# Altium PCB USB_HUB.PcbDoc (part 1 of 2) (continued)
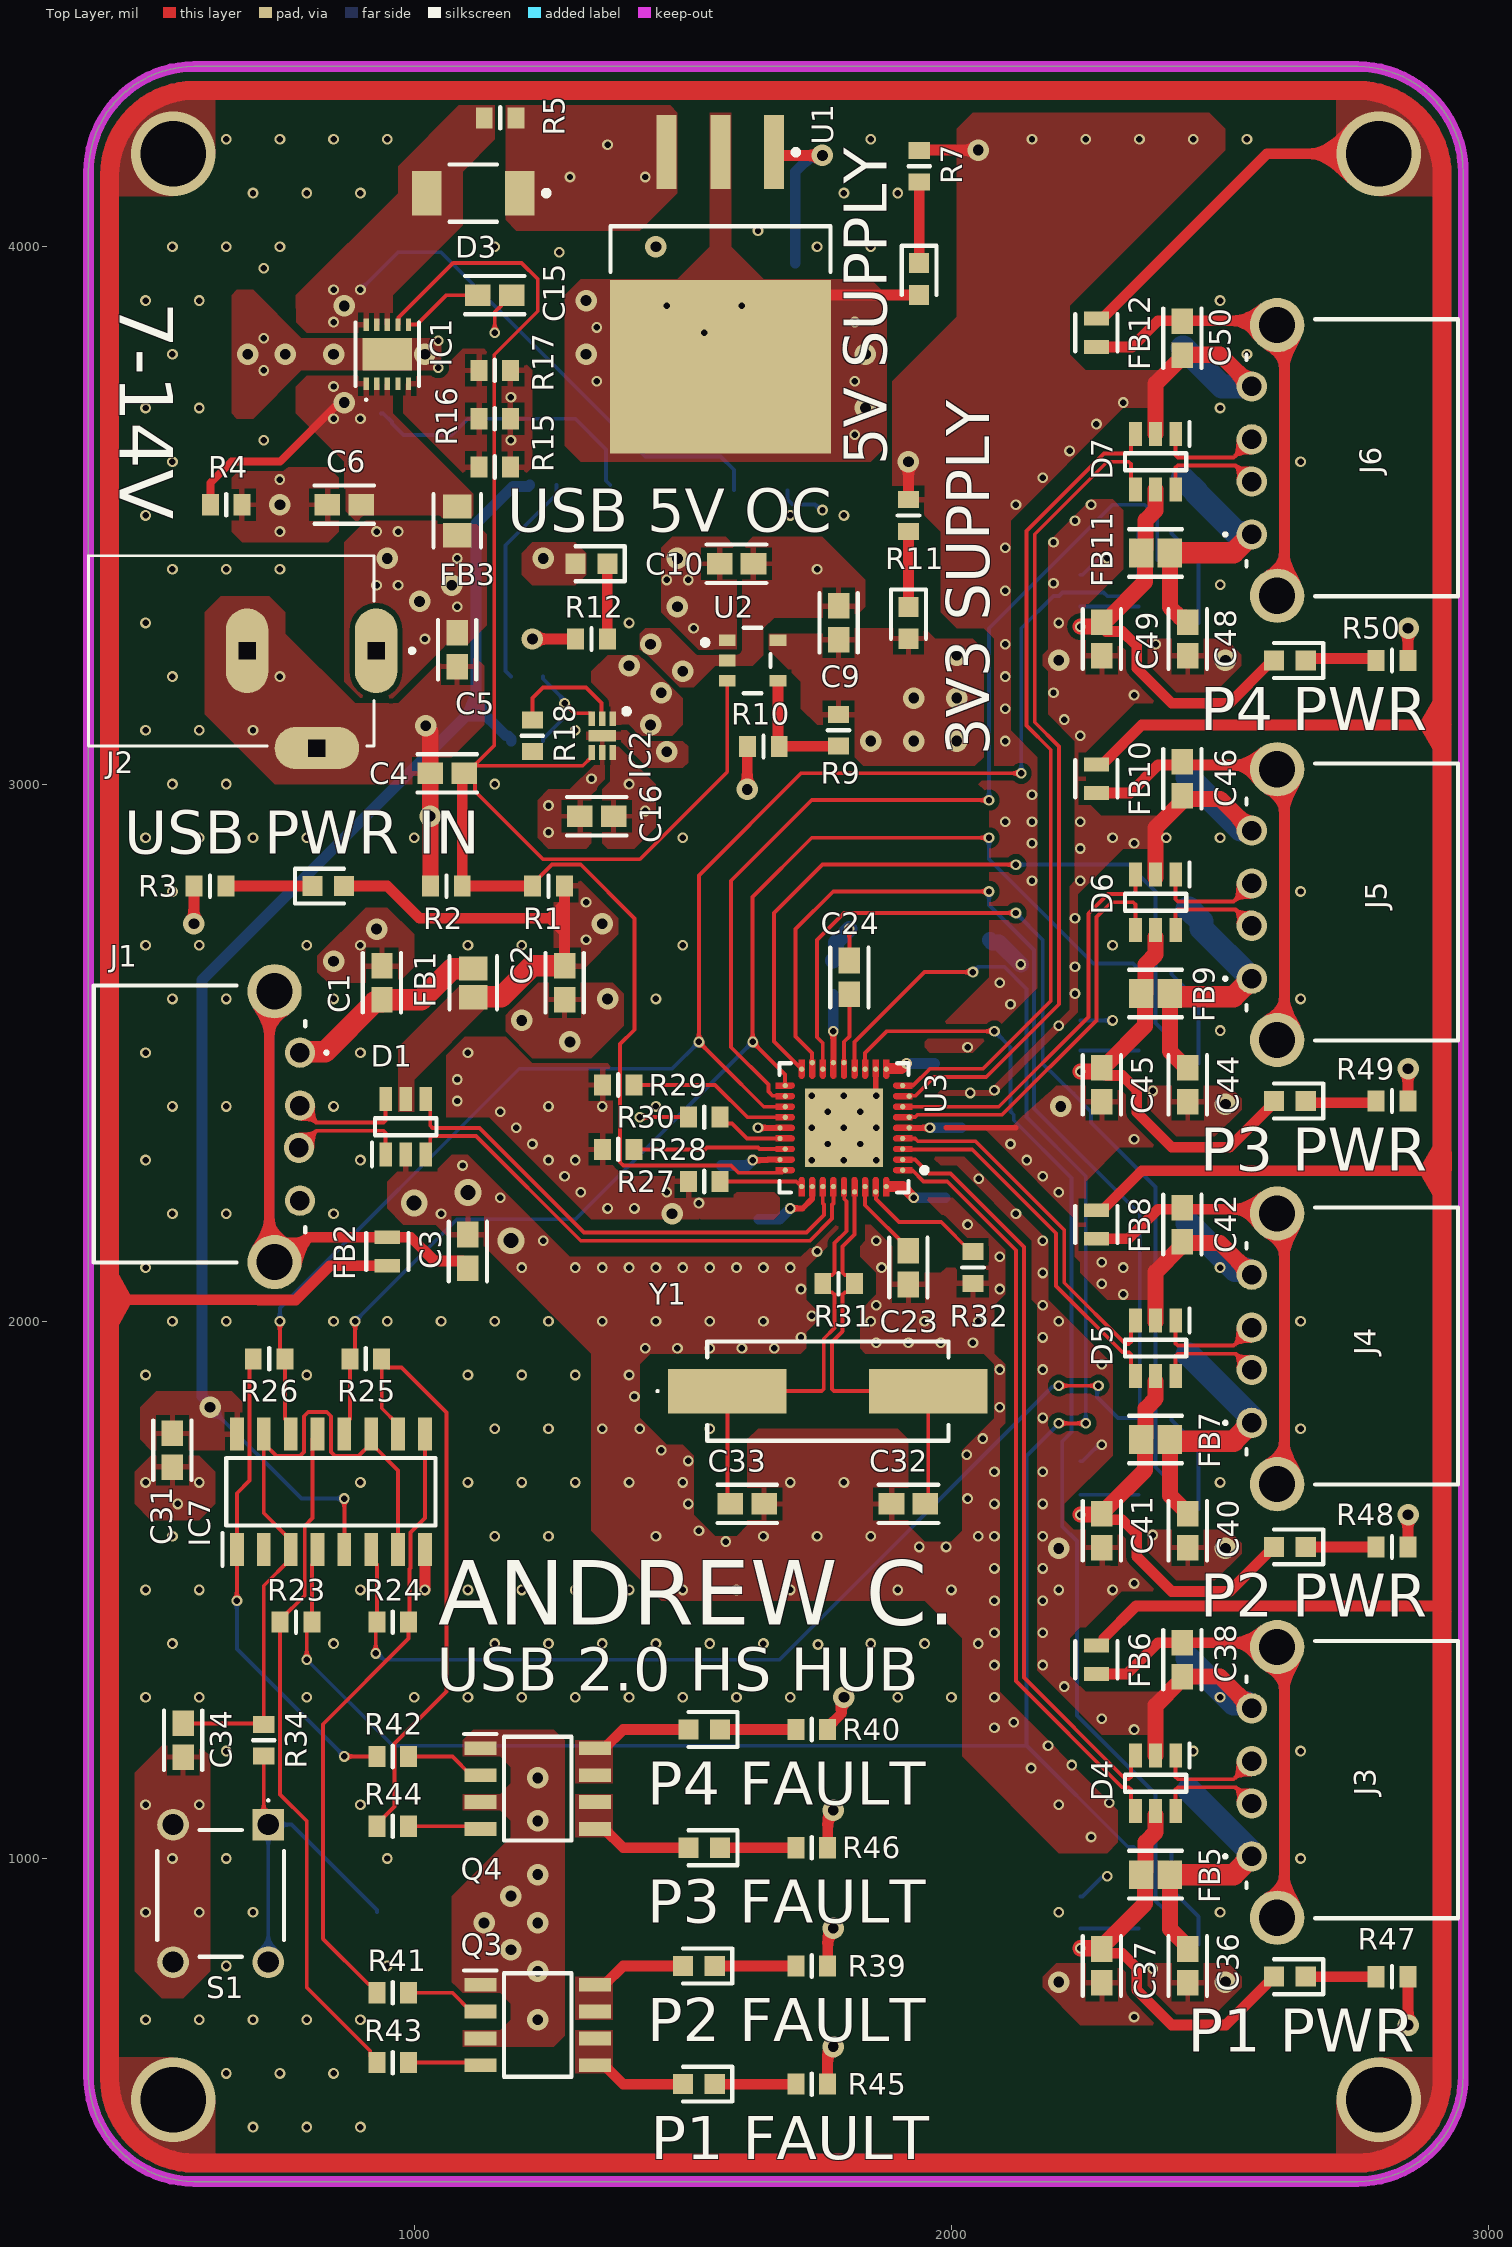
[diagram p0: Top Layer view]
## Components (designator, comment, footprint, x,y, rotation, side; value= is the part's Value field where it differs from the comment)
"3V3 SUPPLY" "150060GS75000" LEDC1608X80N 1920,3300 r270 top
"5V SUPPLY" "150060GS75000" LEDC1608X80N 1940,3940 r270 top
C1 "0603 CAP" 0603-C 940,2630 r90 top
C2 "0603 CAP" 0603-C 1280,2630 r270 top
C3 "0603 CAP" 0603-C 1100,2130 r90 top
C4 "0603 CAP" 0603-C 1061.57,3020 r180 top
C5 "0603 CAP" 0603-C 1080,3250 r270 top
C6 "0603 CAP" 0603-C 870,3520 r180 top
C7 "1206 Capacitor" 1206-C 1360,4070 r270 bottom
C8 "1206 Capacitor" 1206-C 1540,3950 r90 bottom
C9 "0603 CAP" 0603-C 1790,3300 r90 top
C10 "0603 CAP" 0603-C 1600,3410 r0 top
C11 "1206 Capacitor" 1206-C 750,3710 r180 bottom
C12 "0603 CAP" 0603-C 970,3690 r0 bottom
C13 "0603 CAP" 0603-C 970,3910 r0 bottom
C14 "1206 Capacitor" 1206-C 750,3890 r180 bottom
C15 "0603 CAP" 0603-C 1150,3910 r0 top
C16 "0603 CAP" 0603-C 1340,2940 r180 top
C17 "0603 CAP" 0603-C 2380,750 r180 bottom
C18 "0603 CAP" 0603-C 2380,1557.09 r180 bottom
C19 "0603 CAP" 0603-C 2380,2383.86 r180 bottom
C20 "0603 CAP" 0603-C 2380,3210.63 r180 bottom
C21 "0603 CAP" 0603-C 1540,2290 r0 bottom
C22 "0603 CAP" 0603-C 1780,2640 r270 bottom
C23 "0603 CAP" 0603-C 1920,2100 r270 top
C24 "0603 CAP" 0603-C 1810,2640 r90 top
C25 "0603 CAP" 0603-C 2040,2710 r0 bottom
C26 "0603 CAP" 0603-C 2040,2590 r0 bottom
C27 "0603 CAP" 0603-C 1610,2190 r180 bottom
C28 "0603 CAP" 0603-C 2020,2230 r0 bottom
C29 "0603 CAP" 0603-C 2050,2360 r0 bottom
C30 "0603 CAP" 0603-C 2000,2480 r0 bottom
C31 "0603 CAP" 0603-C 550,1760 r270 top
C32 "0603 CAP" 0603-C 1920,1660 r180 top
C33 "0603 CAP" 0603-C 1620,1660 r0 top
C34 "100nF" FP-GRM188-0_1-e0_2_0_55-IPC_A 570,1220 r270 top
C35 "293D107X0016D2TE3" CAPPM7343X310N 2440,1250 r90 bottom value=100u
C36 "0603 CAP" 0603-C 2440,800 r270 top
C37 "0603 CAP" 0603-C 2280,800 r270 top
C38 "0603 CAP" 0603-C 2430,1370 r270 top
C39 "293D107X0016D2TE3" CAPPM7343X310N 2440,2060 r90 bottom value=100u
C40 "0603 CAP" 0603-C 2440,1610 r270 top
C41 "0603 CAP" 0603-C 2280,1610 r270 top
C42 "0603 CAP" 0603-C 2430,2180 r270 top
C43 "293D107X0016D2TE3" CAPPM7343X310N 2440,2890 r90 bottom value=100u
C44 "0603 CAP" 0603-C 2440,2440 r270 top
C45 "0603 CAP" 0603-C 2280,2440 r270 top
C46 "0603 CAP" 0603-C 2430,3010 r270 top
C47 "293D107X0016D2TE3" CAPPM7343X310N 2430,3690 r90 bottom value=100u
C48 "0603 CAP" 0603-C 2440,3270 r270 top
C49 "0603 CAP" 0603-C 2280,3270 r270 top
C50 "0603 CAP" 0603-C 2430,3830 r270 top
D1 "IP4234CZ6,125" SOP95P275X110-6N 984.25,2362.2 r90 top
D2 "DNC PMEG3050EP,115" FP-SOD128-MFG 930,3420 r180 bottom
D3 "DNC PMEG3050EP,115" FP-SOD128-MFG 1110,4100 r180 top
D4 "IP4234CZ6,125" SOP95P275X110-6N 2380,1140 r270 top
D5 "IP4234CZ6,125" SOP95P275X110-6N 2380,1950 r270 top
D6 "IP4234CZ6,125" SOP95P275X110-6N 2380,2780 r270 top
D7 "IP4234CZ6,125" SOP95P275X110-6N 2380,3600 r270 top
FB1 "120R" FP-ILHB-0805-IPC_C 1110,2630 r270 top
FB2 "30R" FP-BLM18-0_15-t0_6-d1_2-MFG 950,2130 r90 top
FB3 "120R" FP-ILHB-0805-IPC_C 1080,3490 r90 top
FB4 "120R" FP-ILHB-0805-IPC_C 1890,2610 r270 bottom
FB5 "120R" FP-ILHB-0805-IPC_C 2380,970 r180 top
FB6 "30R" FP-BLM18-0_15-t0_6-d1_2-MFG 2270,1370 r270 top
FB7 "120R" FP-ILHB-0805-IPC_C 2380,1780 r180 top
FB8 "30R" FP-BLM18-0_15-t0_6-d1_2-MFG 2270,2180 r270 top
FB9 "120R" FP-ILHB-0805-IPC_C 2380,2610 r180 top
FB10 "30R" FP-BLM18-0_15-t0_6-d1_2-MFG 2270,3010 r270 top
FB11 "120R" FP-ILHB-0805-IPC_C 2380,3430 r180 top
FB12 "30R" FP-BLM18-0_15-t0_6-d1_2-MFG 2270,3840 r270 top
IC1 "LS1205EVD33" LS1205EVD33 950,3800 r0 top
IC2 "MIC2099-1YMT-TR" SON50P160X160X60-7N-D 1350,3090 r270 top
IC3 "MIC2099-1YMT-TR" SON50P160X160X60-7N-D 2380,870 r0 bottom
IC4 "MIC2099-1YMT-TR" SON50P160X160X60-7N-D 2380,1677.09 r0 bottom
IC5 "MIC2099-1YMT-TR" SON50P160X160X60-7N-D 2380,2503.86 r0 bottom
IC6 "MIC2099-1YMT-TR" SON50P160X160X60-7N-D 2380,3330 r0 bottom
IC7 "MC14044BDR2G" SOIC127P600X175-16N 845,1682.72 r90 top
J1 "USB1125-GF-B" USB1125GFB#1 787.4,2500 r270 top locked
J2 "CON-SOCJ-2155" GRAVITECH_CON-SOCJ-2155 688.98,3248.03 r0 top locked
J3 "USB1125-GF-B" USB1125GFB#2 2559.06,1003.94 r90 top locked
J4 "USB1125-GF-B" USB1125GFB#2 2559.06,1811.02 r90 top locked
J5 "USB1125-GF-B" USB1125GFB#2 2559.06,2637.8 r90 top locked
J6 "USB1125-GF-B" USB1125GFB#2 2559.06,3464.57 r90 top locked
"P1 FAULT" "150060RS75000" LEDC1608X80N 1530,580 r180 top
"P1 PWR" "150060YS75000" LEDC1608X80N 2630,780 r180 top
"P2 FAULT" "150060RS75000" LEDC1608X80N 1530,800 r180 top
"P2 PWR" "150060YS75000" LEDC1608X80N 2630,1580 r180 top
"P3 FAULT" "150060RS75000" LEDC1608X80N 1540,1020 r180 top
"P3 PWR" "150060YS75000" LEDC1608X80N 2630,2410 r180 top
"P4 FAULT" "150060RS75000" LEDC1608X80N 1540,1240 r180 top
"P4 PWR" "150060YS75000" LEDC1608X80N 2630,3230 r180 top
Q1 "DMC3016LSD-13" SOIC127P600X175-8N 1620,3440 r270 bottom
Q2 "DMP3085LSD-13" SOIC127P600X175-8N 1290,3450 r270 bottom
Q3 "DMP3085LSD-13" SOIC127P600X175-8N 1230,690 r0 top
Q4 "DMP3085LSD-13" SOIC127P600X175-8N 1230,1130 r0 top
R1 "0603 Resistor" 0603-R 1250,2810 r180 top value=100k
R2 "0603 Resistor" 0603-R 1060,2810 r180 top value=100k
R3 "0603 Resistor" 0603-R 620,2810 r0 top value=330R
R4 "0603 Resistor" 0603-R 650,3520 r0 top value=100k
R5 "0603 Resistor" 0603-R 1160,4240 r180 top value=0R
R6 "0603 Resistor" 0603-R 1710,3940 r270 bottom value=330R
R7 "0603 Resistor" 0603-R 1940,4150 r270 top value=330R
R8 "0603 Resistor" 0603-R 1680,4100 r0 bottom value=1k
R9 "0603 Resistor" 0603-R 1790,3100 r270 top value=330R
R10 "0603 Resistor" 0603-R 1650,3070 r180 top value=560R
R11 "0603 Resistor" 0603-R 1920,3500 r270 top value=100R
R12 "0603 Resistor" 0603-R 1330,3270 r180 top value=330R
R13 "0603 Resistor" 0603-R 1210,3080 r0 bottom value=10k
R14 "0603 Resistor" 0603-R 1210,3200 r0 bottom value=1k
R15 "0603 Resistor" 0603-R 1150,3590 r180 top value=10k
R16 "0603 Resistor" 0603-R 1150,3680 r180 top value=10k
R17 "0603 Resistor" 0603-R 1150,3770 r180 top value=10k
R18 "0603 Resistor" 0603-R 1220,3090 r90 top value=330R
R19 "0603 Resistor" 0603-R 2240,900 r270 bottom value=330R
R20 "0603 Resistor" 0603-R 2240,1710 r270 bottom value=330R
R21 "0603 Resistor" 0603-R 2240,2530 r270 bottom value=330R
R22 "0603 Resistor" 0603-R 2240,3360 r270 bottom value=330R
R23 "0603 Resistor" 0603-R 780,1440 r180 top value="DNC 0R"
R24 "0603 Resistor" 0603-R 960,1440 r0 top value="DNC 0R"
R25 "0603 Resistor" 0603-R 910,1930 r0 top value="DNC 0R"
R26 "0603 Resistor" 0603-R 730,1930 r180 top value="DNC 0R"
R27 "0603 Resistor" 0603-R 1540,2260 r180 top value=100k
R28 "0603 Resistor" 0603-R 1380,2320 r180 top value=100k
R29 "0603 Resistor" 0603-R 1380,2440 r180 top value=100k
R30 "0603 Resistor" 0603-R 1540,2380 r180 top value=100k
R31 "0603 Resistor" 0603-R 1790,2070 r180 top value=DNC
R32 "0603 Resistor" 0603-R 2040,2100 r90 top value=12k
R33 "0603 Resistor" 0603-R 960,900 r180 bottom value=100k
R34 "0603 Resistor" 0603-R 720,1220 r90 top value=1k
R35 "0603 Resistor" 0603-R 2380,1010 r180 bottom value="DNC 10k"
R36 "0603 Resistor" 0603-R 2380,1820 r180 bottom value="DNC 10k"
R37 "0603 Resistor" 0603-R 2380,2650 r180 bottom value="DNC 10k"
R38 "0603 Resistor" 0603-R 2380,3470 r180 bottom value="DNC 10k"
R39 "0603 Resistor" 0603-R 1740,800 r0 top value=330R
R40 "0603 Resistor" 0603-R 1740,1240 r0 top value=330R
R41 "0603 Resistor" 0603-R 960,750 r180 top value=1k
R42 "0603 Resistor" 0603-R 960,1190 r180 top value=1k
R43 "0603 Resistor" 0603-R 960,620 r180 top value=1k
R44 "0603 Resistor" 0603-R 960,1060 r180 top value=1k
R45 "0603 Resistor" 0603-R 1740,580 r0 top value=330R
R46 "0603 Resistor" 0603-R 1740,1020 r0 top value=330R
R47 "0603 Resistor" 0603-R 2820,780 r180 top value=330R
R48 "0603 Resistor" 0603-R 2820,1580 r180 top value=330R
R49 "0603 Resistor" 0603-R 2820,2410 r180 top value=330R
R50 "0603 Resistor" 0603-R 2820,3230 r180 top value=330R
S1 "TS02-66-43-BK-260-SCR-D" TS026643BK260SCRD 728.35,1062.99 r270 top
U1 "LD1085D2M-R" D2PAK_A_L 1570,3930 r270 top
U2 "AP2205-W5-7" FP-SOT25-MFG 1630,3230 r0 top
U3 "USB2514BT-I/M2" FP-36SQFN-3706-6x6B-MFG 1800,2360 r180 top
"USB 5V OC" "150060RS75000" LEDC1608X80N 1330,3410 r180 top
"USB PWR IN" "150060GS75000" LEDC1608X80N 840,2810 r0 top
Y1 "ABLS-24.000MHZ-B4-T" ABLS24000MHZB4T 1770,1870 r0 top

## Footprints (in the part's own frame and the unit in brackets; to place one, negate y for a bottom-side part, rotate by r counter-clockwise, add the part's x,y. Pads: shape width x height; smd on the part's side, far side on the other; paste and mask are expansions set on the pad)
0603-C [mil]
  rect 47.57x39.85 smd paste+0 mask+0: 1(-31.57,0) 2(31.57,0)
  silkscreen extent -55,-36 55,36, body extent -75,-40 75,40, height 10
0603-R [mm]
  rect 0.8x1 smd: 1(-0.75,0) 2(0.75,0)
  silkscreen extent 0,-0.51 0,0.51, body extent -0.85,-0.45 0.85,0.45, height 0.55
1206-C [mil]
  rect 61.21x75.05 smd paste+0 mask+0: 1(-58.1,0) 2(58.1,0)
  silkscreen extent -85,-55 85,55, body extent -63,-31 63,31, height 71
ABLS24000MHZB4T [mm]
  rect 5.6x2.1 smd: 1(-4.75,0) 2(4.75,0)
  silkscreen extent -8.1,-2.35 5.7,2.35, body extent -7.34,-2.35 7.34,2.35, height 4.3
CAPPM7343X310N [mm]
  rect 2.35x2.45 smd: 1(-3.1,0) 2(3.1,0)
  silkscreen extent -4.28,-2.15 3.65,2.15, body extent -3.59,-2.21 3.6,2.21, height 2.92
D2PAK_A_L [mm] "D2-PAK, 4-Leads, Body 9.2x10.2mm, Pitch 2.54mm, Lead Span 15.4mm, IPC High Density"
  rect 3.5x0.95 smd: 1(-6.25,2.54) 2(-6.25,0) 3(-6.25,-2.54)
  rect 8.2x10.45 smd: 4(3.9,0)
  silkscreen extent -6.37,-5.2 -0.6,5.2, body extent -2.75,-5.2 6.6,5.2, height 4.6
FP-36SQFN-3706-6x6B-MFG [mm]
  round 0.252 smd paste+0 mask+0: 1(-2.775,2) 2(-2.775,1.5) 3(-2.775,1) 4(-2.775,0.5) 5(-3.085,0) 6(-3.085,-0.5) 7(-2.775,-1) 8(-3.085,-1.5) 9(-2.775,-2) 10(-2,-2.775) 11(-1.5,-2.775) 12(-1,-2.775) 13(-0.5,-2.775) 14(0,-3.085) 15(0.5,-3.085) 16(1,-2.775) 17(1.5,-3.085) 18(2,-2.775) 19(2.775,-2) 20(2.775,-1.5) 21(2.775,-1) 22(2.775,-0.5) 23(3.025,0) 24(3.025,0.5) 25(2.775,1) 26(3.025,1.5) 27(2.775,2) 28(2,2.775) 29(1.5,2.775) 30(1,2.775) 31(0.5,2.775) 32(0,3.025) 33(-0.5,3.025) 34(-1,2.775) 35(-1.5,3.025) 36(-2,2.775)
  rect 3.7x3.7 smd paste+0 mask+0: 37(0,0)
  Top Layer region: -1.86,3.225 -1.86,2.465 -1.871,2.411 -1.901,2.366 -1.946,2.336 -2,2.325 -2,2.325 -2.054,2.336 -2.099,2.366 -2.129,2.411 -2.14,2.465 -2.14,2.465 -2.14,3.225
  Top Layer region: -1.36,3.225 -1.36,2.465 -1.371,2.411 -1.401,2.366 -1.446,2.336 -1.5,2.325 -1.5,2.325 -1.554,2.336 -1.599,2.366 -1.629,2.411 -1.64,2.465 -1.64,2.465 -1.64,3.225
  Top Layer region: -0.86,3.225 -0.86,2.465 -0.871,2.411 -0.901,2.366 -0.946,2.336 -1,2.325 -1,2.325 -1.054,2.336 -1.099,2.366 -1.129,2.411 -1.14,2.465 -1.14,2.465 -1.14,3.225
  Top Layer region: -0.36,3.225 -0.36,2.465 -0.371,2.411 -0.401,2.366 -0.446,2.336 -0.5,2.325 -0.5,2.325 -0.554,2.336 -0.599,2.366 -0.629,2.411 -0.64,2.465 -0.64,2.465 -0.64,3.225
  Top Layer region: 0.14,3.225 0.14,2.465 0.129,2.411 0.099,2.366 0.054,2.336 0,2.325 0,2.325 -0.054,2.336 -0.099,2.366 -0.129,2.411 -0.14,2.465 -0.14,2.465 -0.14,3.225
  Top Layer region: 0.64,3.225 0.64,2.465 0.629,2.411 0.599,2.366 0.554,2.336 0.5,2.325 0.5,2.325 0.446,2.336 0.401,2.366 0.371,2.411 0.36,2.465 0.36,2.465 0.36,3.225
  Top Layer region: 1.14,3.225 1.14,2.465 1.129,2.411 1.099,2.366 1.054,2.336 1,2.325 1,2.325 0.946,2.336 0.901,2.366 0.871,2.411 0.86,2.465 0.86,2.465 0.86,3.225
  Top Layer region: 1.64,3.225 1.64,2.465 1.629,2.411 1.599,2.366 1.554,2.336 1.5,2.325 1.5,2.325 1.446,2.336 1.401,2.366 1.371,2.411 1.36,2.465 1.36,2.465 1.36,3.225
  Top Layer region: 2.14,3.225 2.14,2.465 2.129,2.411 2.099,2.366 2.054,2.336 2,2.325 2,2.325 1.946,2.336 1.901,2.366 1.871,2.411 1.86,2.465 1.86,2.465 1.86,3.225
  Top Layer region: 1.86,-3.225 1.86,-2.465 1.871,-2.411 1.901,-2.366 1.946,-2.336 2,-2.325 2,-2.325 2.054,-2.336 2.099,-2.366 2.129,-2.411 2.14,-2.465 2.14,-2.465 2.14,-3.225
  Top Layer region: 1.36,-3.225 1.36,-2.465 1.371,-2.411 1.401,-2.366 1.446,-2.336 1.5,-2.325 1.5,-2.325 1.554,-2.336 1.599,-2.366 1.629,-2.411 1.64,-2.465 1.64,-2.465 1.64,-3.225
  Top Layer region: 0.86,-3.225 0.86,-2.465 0.871,-2.411 0.901,-2.366 0.946,-2.336 1,-2.325 1,-2.325 1.054,-2.336 1.099,-2.366 1.129,-2.411 1.14,-2.465 1.14,-2.465 1.14,-3.225
  Top Layer region: 0.36,-3.225 0.36,-2.465 0.371,-2.411 0.401,-2.366 0.446,-2.336 0.5,-2.325 0.5,-2.325 0.554,-2.336 0.599,-2.366 0.629,-2.411 0.64,-2.465 0.64,-2.465 0.64,-3.225
  Top Layer region: -0.14,-3.225 -0.14,-2.465 -0.129,-2.411 -0.099,-2.366 -0.054,-2.336 0,-2.325 0,-2.325 0.054,-2.336 0.099,-2.366 0.129,-2.411 0.14,-2.465 0.14,-2.465 0.14,-3.225
  Top Layer region: -0.64,-3.225 -0.64,-2.465 -0.629,-2.411 -0.599,-2.366 -0.554,-2.336 -0.5,-2.325 -0.5,-2.325 -0.446,-2.336 -0.401,-2.366 -0.371,-2.411 -0.36,-2.465 -0.36,-2.465 -0.36,-3.225
  Top Layer region: -1.14,-3.225 -1.14,-2.465 -1.129,-2.411 -1.099,-2.366 -1.054,-2.336 -1,-2.325 -1,-2.325 -0.946,-2.336 -0.901,-2.366 -0.871,-2.411 -0.86,-2.465 -0.86,-2.465 -0.86,-3.225
  Top Layer region: -1.64,-3.225 -1.64,-2.465 -1.629,-2.411 -1.599,-2.366 -1.554,-2.336 -1.5,-2.325 -1.5,-2.325 -1.446,-2.336 -1.401,-2.366 -1.371,-2.411 -1.36,-2.465 -1.36,-2.465 -1.36,-3.225
  Top Layer region: -2.14,-3.225 -2.14,-2.465 -2.129,-2.411 -2.099,-2.366 -2.054,-2.336 -2,-2.325 -2,-2.325 -1.946,-2.336 -1.901,-2.366 -1.871,-2.411 -1.86,-2.465 -1.86,-2.465 -1.86,-3.225
  Top Layer region: 3.225,1.86 2.465,1.86 2.411,1.871 2.366,1.901 2.336,1.946 2.325,2 2.325,2 2.336,2.054 2.366,2.099 2.411,2.129 2.465,2.14 2.465,2.14 3.225,2.14
  Top Layer region: 3.225,1.36 2.465,1.36 2.411,1.371 2.366,1.401 2.336,1.446 2.325,1.5 2.325,1.5 2.336,1.554 2.366,1.599 2.411,1.629 2.465,1.64 2.465,1.64 3.225,1.64
  Top Layer region: 3.225,0.86 2.465,0.86 2.411,0.871 2.366,0.901 2.336,0.946 2.325,1 2.325,1 2.336,1.054 2.366,1.099 2.411,1.129 2.465,1.14 2.465,1.14 3.225,1.14
  Top Layer region: 3.225,0.36 2.465,0.36 2.411,0.371 2.366,0.401 2.336,0.446 2.325,0.5 2.325,0.5 2.336,0.554 2.366,0.599 2.411,0.629 2.465,0.64 2.465,0.64 3.225,0.64
  Top Layer region: 3.225,-0.14 2.465,-0.14 2.411,-0.129 2.366,-0.099 2.336,-0.054 2.325,0 2.325,0 2.336,0.054 2.366,0.099 2.411,0.129 2.465,0.14 2.465,0.14 3.225,0.14
  Top Layer region: 3.225,-0.64 2.465,-0.64 2.411,-0.629 2.366,-0.599 2.336,-0.554 2.325,-0.5 2.325,-0.5 2.336,-0.446 2.366,-0.401 2.411,-0.371 2.465,-0.36 2.465,-0.36 3.225,-0.36
  Top Layer region: 3.225,-1.14 2.465,-1.14 2.411,-1.129 2.366,-1.099 2.336,-1.054 2.325,-1 2.325,-1 2.336,-0.946 2.366,-0.901 2.411,-0.871 2.465,-0.86 2.465,-0.86 3.225,-0.86
  Top Layer region: 3.225,-1.64 2.465,-1.64 2.411,-1.629 2.366,-1.599 2.336,-1.554 2.325,-1.5 2.325,-1.5 2.336,-1.446 2.366,-1.401 2.411,-1.371 2.465,-1.36 2.465,-1.36 3.225,-1.36
  Top Layer region: 3.225,-2.14 2.465,-2.14 2.411,-2.129 2.366,-2.099 2.336,-2.054 2.325,-2 2.325,-2 2.336,-1.946 2.366,-1.901 2.411,-1.871 2.465,-1.86 2.465,-1.86 3.225,-1.86
  Top Layer region: -3.225,-1.86 -2.465,-1.86 -2.411,-1.871 -2.366,-1.901 -2.336,-1.946 -2.325,-2 -2.325,-2 -2.336,-2.054 -2.366,-2.099 -2.411,-2.129 -2.465,-2.14 -2.465,-2.14 -3.225,-2.14
  Top Layer region: -3.225,-1.36 -2.465,-1.36 -2.411,-1.371 -2.366,-1.401 -2.336,-1.446 -2.325,-1.5 -2.325,-1.5 -2.336,-1.554 -2.366,-1.599 -2.411,-1.629 -2.465,-1.64 -2.465,-1.64 -3.225,-1.64
  Top Layer region: -3.225,-0.86 -2.465,-0.86 -2.411,-0.871 -2.366,-0.901 -2.336,-0.946 -2.325,-1 -2.325,-1 -2.336,-1.054 -2.366,-1.099 -2.411,-1.129 -2.465,-1.14 -2.465,-1.14 -3.225,-1.14
  Top Layer region: -3.225,-0.36 -2.465,-0.36 -2.411,-0.371 -2.366,-0.401 -2.336,-0.446 -2.325,-0.5 -2.325,-0.5 -2.336,-0.554 -2.366,-0.599 -2.411,-0.629 -2.465,-0.64 -2.465,-0.64 -3.225,-0.64
  Top Layer region: -3.225,0.14 -2.465,0.14 -2.411,0.129 -2.366,0.099 -2.336,0.054 -2.325,0 -2.325,0 -2.336,-0.054 -2.366,-0.099 -2.411,-0.129 -2.465,-0.14 -2.465,-0.14 -3.225,-0.14
  Top Layer region: -3.225,0.64 -2.465,0.64 -2.411,0.629 -2.366,0.599 -2.336,0.554 -2.325,0.5 -2.325,0.5 -2.336,0.446 -2.366,0.401 -2.411,0.371 -2.465,0.36 -2.465,0.36 -3.225,0.36
  Top Layer region: -3.225,1.14 -2.465,1.14 -2.411,1.129 -2.366,1.099 -2.336,1.054 -2.325,1 -2.325,1 -2.336,0.946 -2.366,0.901 -2.411,0.871 -2.465,0.86 -2.465,0.86 -3.225,0.86
  Top Layer region: -3.225,1.64 -2.465,1.64 -2.411,1.629 -2.366,1.599 -2.336,1.554 -2.325,1.5 -2.325,1.5 -2.336,1.446 -2.366,1.401 -2.411,1.371 -2.465,1.36 -2.465,1.36 -3.225,1.36
  Top Layer region: -3.225,2.14 -2.465,2.14 -2.411,2.129 -2.366,2.099 -2.336,2.054 -2.325,2 -2.325,2 -2.336,1.946 -2.366,1.901 -2.411,1.871 -2.465,1.86 -2.465,1.86 -3.225,1.86
  silkscreen extent -3.93,-3.05 3.05,3.05, body extent -3.33,-3.33 3.33,3.33, height 0.25
FP-BLM18-0_15-t0_6-d1_2-MFG [mm]
  rect 0.65x1.2 smd paste-1000 mask-1000: 1(-0.675,0) 2(0.675,0)
  silkscreen extent -0.87,-1 0.87,1, body extent -1.1,-0.7 1.1,0.7, height 0.25
FP-GRM188-0_1-e0_2_0_55-IPC_A [mil]
  rect 47.57x39.85 smd paste+0 mask+0: 1(-31.57,0) 2(31.57,0)
  silkscreen extent -55,-36 55,36, body extent -75,-40 75,40, height 10
FP-ILHB-0805-IPC_C [mil]
  rect 45.45x53.39 smd paste+0 mask+0: 1(-26.61,0) 2(26.61,0)
  silkscreen extent -49,-44 49,44, body extent -53,-32 53,32, height 10
FP-SOD128-MFG [mm]
  rect 1.4x2.1 smd paste-1000 mask+0: 1(-2.2,0) 2(2.2,0)
  silkscreen extent -3.58,-1.35 1.12,1.35, body extent -2.35,-1.25 2.35,1.25, height 1.1
FP-SOT25-MFG [mm]
  rect 0.8x0.55 smd paste+0 mask+0: 1(-1.2,0.95) 2(-1.2,0) 3(-1.2,-0.95) 4(1.2,-0.95) 5(1.2,0.95)
  silkscreen extent -2.37,-1.55 0.85,1.55, body extent -1.7,-1.65 1.7,1.65, height 0.25
GRAVITECH_CON-SOCJ-2155 [mm]
  oval 2x4 hole 0.8 square: 1(6.1,0) 3(0,0)
  oval 4x2 hole 0.8 square: 2(3.3,-4.6)
  silkscreen extent -7.5,-4.5 7.9,4.5
LEDC1608X80N [mm]
  rect 0.95x0.95 smd: 1(-0.75,0) 2(0.75,0)
  silkscreen extent -1.58,-0.82 0.75,0.82, body extent -0.8,-0.4 0.8,0.4, height 0.7
LS1205EVD33 [mm]
  rect 0.25x0.6 smd: 1(-1,-1.4) 2(-0.5,-1.4) 3(0,-1.4) 4(0.5,-1.4) 5(1,-1.4) 6(1,1.4) 7(0.5,1.4) 8(0,1.4) 9(-0.5,1.4) 10(-1,1.4)
  rect 2.35x1.55 smd: 11(0,0)
  silkscreen extent -1.5,-2.2 1.5,1.5, body extent -1.5,-1.5 1.5,1.5, height 0.9
SOIC127P600X175-8N [mm]
  rect 1.525x0.65 smd: 1(-2.712,1.905) 2(-2.712,0.635) 3(-2.712,-0.635) 4(-2.712,-1.905) 5(2.712,-1.905) 6(2.712,-0.635) 7(2.712,0.635) 8(2.712,1.905)
  silkscreen extent -3.47,-2.45 1.6,2.58, body extent -3,-2.45 3,2.45, height 1.75
SOIC127P600X175-16N [mm]
  rect 1.55x0.65 smd: 1(-2.725,4.445) 2(-2.725,3.175) 3(-2.725,1.905) 4(-2.725,0.635) 5(-2.725,-0.635) 6(-2.725,-1.905) 7(-2.725,-3.175) 8(-2.725,-4.445) 9(2.725,-4.445) 10(2.725,-3.175) 11(2.725,-1.905) 12(2.725,-0.635) 13(2.725,0.635) 14(2.725,1.905) 15(2.725,3.175) 16(2.725,4.445)
  silkscreen extent -3.5,-4.95 1.6,5.12, body extent -3,-4.95 3,4.95, height 1.75
SON50P160X160X60-7N-D [mm]
  rect 0.7x0.3 smd: 1(-0.8,0.5) 2(-0.8,0) 3(-0.8,-0.5) 4(0.8,-0.5) 5(0.8,0) 6(0.8,0.5)
  rect 0.55x1.31 smd: 7(0,0)
  silkscreen extent -1.27,1.03 -1.03,1.28, body extent -0.85,-0.8 0.85,0.8, height 0.6
SOP95P275X110-6N [mm]
  rect 1.125x0.6 smd: 1(-1.312,0.95) 2(-1.312,0) 3(-1.312,-0.95) 4(1.312,-0.95) 5(1.312,0) 6(1.312,0.95)
  silkscreen extent -1.88,-1.45 0.4,1.6, body extent -1.37,-1.47 1.38,1.48, height 1.01
TS026643BK260SCRD [mm]
  rect 1.5x1.5 hole 1: 1(0,0)
  round 1.5 hole 1: 2(6.5,0) 3(0,-4.5) 4(6.5,-4.5)
  silkscreen extent -1.2,-5.25 6.25,0.75, body extent -0.4,-5.25 6.9,0.75, height 4.6
USB1125GFB#1 [mm]
  round 1.431 hole 0.92: 1(0,0) 2(2.5,0) 3(4.5,-0.05) 4(7,0)
  round 2.565 hole 1.71: MH1(-2.9,-1.2) MH2(9.9,-1.2)
  silkscreen extent -3.18,-9.75 9.92,1.3, body extent -3.65,-9.75 10.66,0.36, height 6.73